# Altium PCB vf_v2.PcbDoc (part 2 of 2)
Units mil, origin at the board's own origin, x right, y up, seen from the top; angles counter-clockwise.
Board outline 5611.02 x 3251.03 mil, 2 copper layers (Top Layer, Bottom Layer); 147 components, 137 nets, 507 pads, 430 vias.
Unrouted connection lines stored in the file: 1.
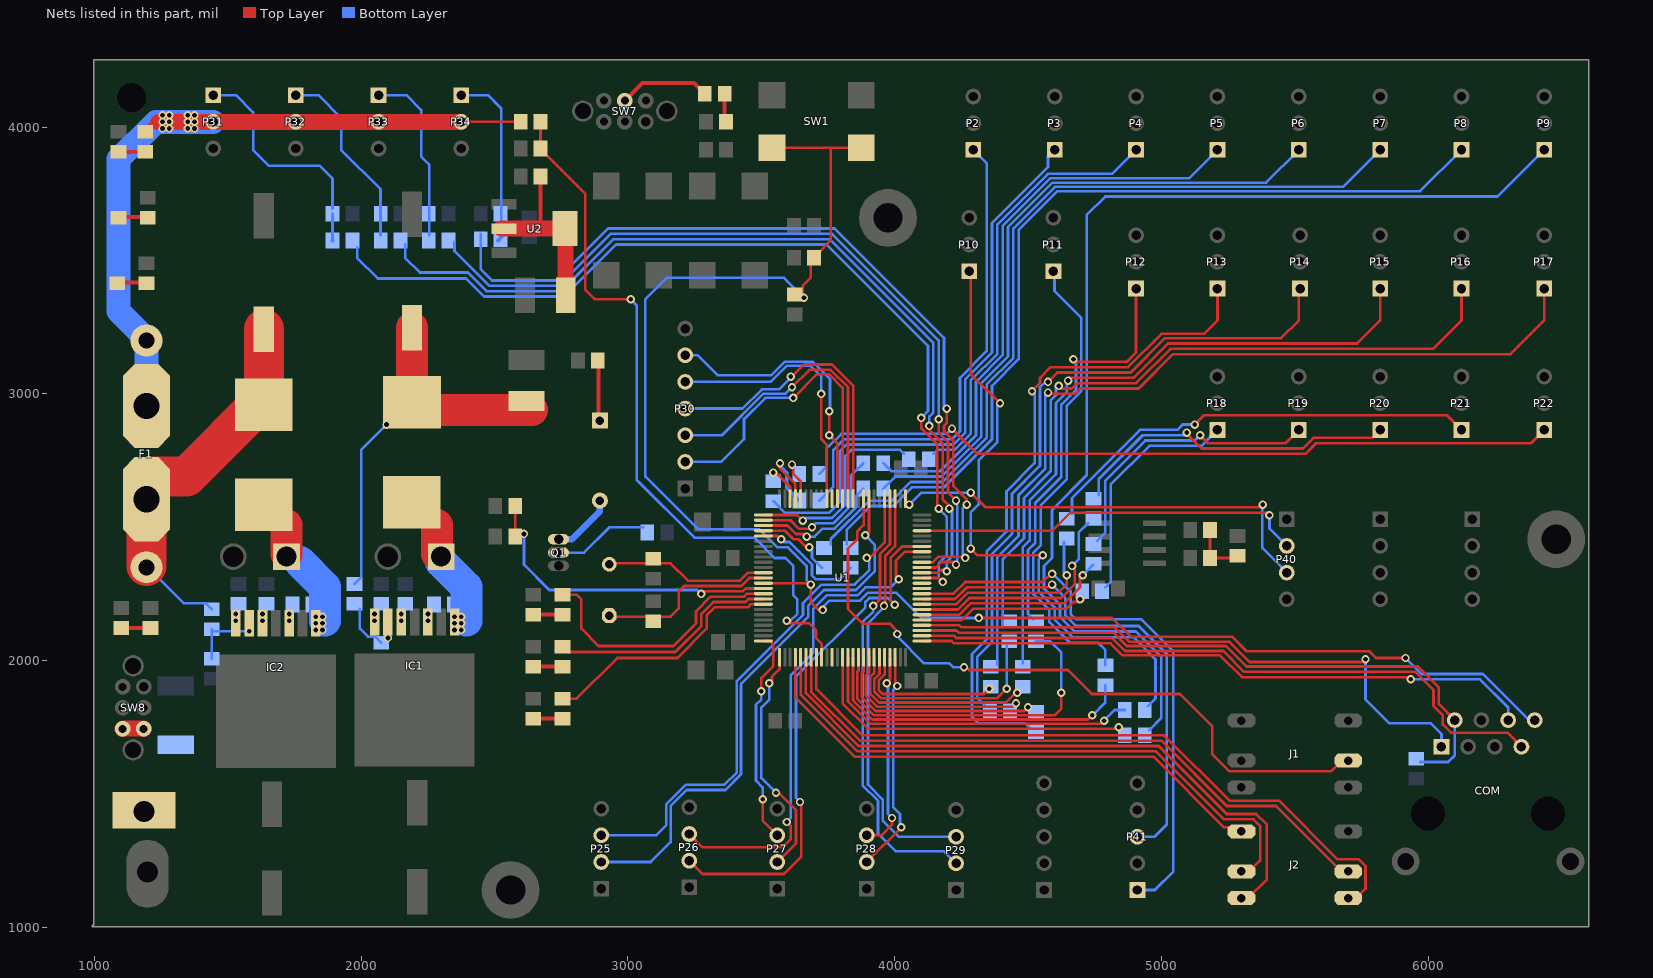
[diagram p2: the nets of this part, all layers, seen from the top]

## Via types
v1: diameter 31.5, hole 17.72, Top Layer to Bottom Layer, 291 vias
v2: diameter 31.5, hole 15.75, Top Layer to Bottom Layer, 71 vias
v3: diameter 31.5, hole 15.75, Top Layer to Bottom Layer, tented both sides, 66 vias
v4: diameter 31.5, hole 17.72, Top Layer to Bottom Layer, tented both sides, 2 vias

## Nets (pads, with @x,y where several pads share a name; then routed paths per layer and width w, separated by ;. In a path a pad name is that pad's centre, name@x,y a point inside that pad or via, vN(x,y) a via of type N, cw(c..) or ccw(c..) an arc to the next point about the centre after c; other vN are vias at no path point) (continued)
JS1_D: J1.5 U1.84 | length 2605
  Top Layer w10: U1.84@3883.74,2607.24 3883.74,2508.74 3860,2485 3860,2455 3825,2420 3825,2193.43 3880,2138.43 3981.57,2138.43 v1@4010,2110 ; v1@4265,1980 4280,1965 4649.09,1965 4739.09,1875 5070,1875 5190,1755 5190,1650 5255,1585 5635,1585 J1.5@5670,1620
  Bottom Layer w10: v1@4010,2090 4110,1990 4205,1990 4220,1975 v1@4265,1975
  other v1: 4260,1975 4010,2100
JS2_A: J2.1 U1.29 | length 1984.5
  Top Layer w10: U1.29@3627.83,2012.76 3627.83,1862.17 3850,1640 4970,1640 5235,1375 J2.1@5260,1375
JS2_B: J2.2 U1.30 | length 2283.3
  Top Layer w10: U1.30@3647.52,2012.76 3647.52,1872.48 3860,1660 4980,1660 5235,1405 5345,1405 5370,1380 5370,1250 5330,1210 J2.2@5300,1210
JS2_C: J2.3 U1.31 | length 2395.9
  Top Layer w10: U1.31@3667.2,2012.76 3667.2,1877.8 3865,1680 4990,1680 5245,1425 5355,1425 5395,1385 5395,1180 5325,1110 J2.3@5300,1110
JS2_CENTER: J2.4 U1.33 | length 2580
  Top Layer w10: U1.33@3706.57,2012.76 3706.57,1893.43 3880,1720 5010,1720 5255,1475 5440,1475 5660,1255 5740,1255 5765,1230 5765,1145 J2.4@5735,1115
JS2_D: J2.5 U1.32 | length 2396.6
  Top Layer w10: U1.32@3686.89,2012.76 3686.89,1883.11 3870,1700 5000,1700 5245,1455 5430,1455 J2.5@5675,1210
LCD_CS: P30.4 U1.86 | length 1164
  Top Layer w10: v1(3610,3065) 3610,3060 3660,3110 3765,3110 3844.37,3030.63 U1.86@3844.37,2607.24
  Bottom Layer w10: P30.4@3215,2945 3429.75,2945 3501.75,3017 3567,3017 3610,3060 v1(3610,3065)
LCD_D/C: P30.3 U1.87 | length 1156
  Top Layer w10: v1(3615,3025) 3680,3090 3760,3090 3824.68,3025.32 U1.87@3824.68,2607.24
  Bottom Layer w10: P30.3@3215,2845 3352.37,2845 3508.37,3001 3591,3001 v1(3615,3025)
LCD_RST: P30.2 U1.88 | length 1206.5
  Top Layer w10: v1(3620,2985) 3709,3074 3753.37,3074 3805,3022.37 U1.88@3805,2607.24
  Bottom Layer w10: P30.2@3215,2745 3349.7,2745 3435,2830.3 3435,2905 3515,2985 v1(3620,2985)
LED_1: R17.1 U1.16 | length 1004.4
  Top Layer w10: R17.1@2755,2247.4 2807.6,2247.4 2825,2230 2825,2120 2890,2055 3170,2055 3255,2140 3255,2185 3310,2240 3435,2240 3445.94,2250.94 U1.16@3507.76,2250.94
LED_2: R18.1 U1.17 | length 869.8
  Top Layer w10: R18.1@2755,2052.4 2775,2032.4 3177.4,2032.4 3275,2130 3275,2175 3320,2220 3440,2220 3451.26,2231.26 U1.17@3507.76,2231.26
LED_3: R19.1 U1.18 | length 928.7
  Top Layer w10: R19.1@2755,1857.4 2807.4,1857.4 2960,2010 3185,2010 3295,2120 3295,2170 3325,2200 3450,2200 3461.57,2211.57 U1.18@3507.76,2211.57
NetB1_1: B1.1 R50.1 | length 237.4
  Top Layer w16: B1.1@2890,2902.6 R50.1@2890,3140
NetB1_2: B1.2 Q1.3 | length 238.6
  Bottom Layer w24: Q1.3@2739.88,2455.02 2790.02,2455.02 2895,2560 B1.2@2895,2600
NetC7_2: C7.2 F3.1 U2.2 U2.4 | length 675.1
  Top Layer w16: 2672.4,3622.4 C7.2@2672.4,3815
  Top Layer w60: U2.2@2525,3620 U2.2@2535.83,3620 U2.4@2753.35,3620 ; F3.1@2765,3340 U2.4@2765,3594.17
NetC9_1: C9.1 F1.1 L2.2 R1.2 | length 1365.5
  Top Layer w150: F1.1@1195,2355 1195,2510 F1.1@1195,2610 ; F1.1@1220,2690 1345,2690 1635,2980 C9.1@1635,3243
  Bottom Layer w10: F1.1@1195,2355 1335,2215 1417.4,2215 R1.2@1440,2192.4
NetC10_1: C10.1 D10.1 IC2.1 L2.1 | length 402.6
  Top Layer w15: IC2.1@1830,2145 1840,2155 IC2.1@1840,2175
  Top Layer w120: D10.1@1720,2400 L2.1@1720,2508.85
  Bottom Layer w120: 1770,2370 1864.53,2275.47 v1@1864.53,2149.53
  other v1: 1830,2115 1855,2115 1830,2140 1855,2140 1830,2165 1855,2165
NetC10_2: C10.2 IC2.3
  other v1: 1730,2150 1730,2175
NetC11_2: C11.2 IC2.7 | length 5
  Top Layer w15: IC2.7@1520,2150 IC2.7@1520,2155
  other v1: 1530,2150 1530,2175
NetC13_1: C13.1 F2.1 L1.2 R4.2 | length 1366.3
  Top Layer w120: L1.2@2190,2969 C13.1@2190,3248 ; L1.2@2200,2940 F2.1@2640,2940
  Bottom Layer w10: R4.2@1975,2287.4 2000,2312.4 2000,2790 v1(2095,2885)
NetC14_1: C14.1 D9.1 IC1.1 L1.1 | length 402.6
  Top Layer w15: IC1.1@2350,2145 2360,2155 IC1.1@2360,2175
  Top Layer w120: D9.1@2285,2400 L1.1@2285,2508.85
  Bottom Layer w120: D9.1@2300,2370 2394.53,2275.47 2394.53,2149.53
  other v1: 2350,2115 2375,2115 2350,2140 2375,2140 2350,2165 2375,2165
NetC14_2: C14.2 IC1.3
  other v1: 2250,2150 2250,2175
NetC15_2: C15.2 IC1.7
  other v1: 2050,2150 2050,2175
NetC19_1: C19.1 U1.12 X1.2 | length 607
  Top Layer w10: X1.2@2940,2365 3160,2365 3225,2300 3420,2300 3449.68,2329.68 U1.12@3507.76,2329.68
NetC20_1: C20.1 U1.13 X1.1 | length 675.8
  Top Layer w10: X1.1@2930.06,2165 3160,2165 3190,2195 3190,2260 3210,2280 3425,2280 3455,2310 U1.13@3507.76,2310
NetC26_2: C26.2 R20.1 R21.1 | length 200
  Top Layer w10: R20.1@5182.4,2490 R21.1@5182.4,2385 C26.2@5277.4,2385
NetD1_1: D1.1 R17.2 | length 100
  Top Layer w15: D1.1@2655,2172.6 R17.2@2755,2172.6
NetD2_1: D2.1 R18.2 | length 100
  Top Layer w15: D2.1@2655,1977.6 R18.2@2755,1977.6
NetD3_1: D3.1 R19.2 | length 100
  Top Layer w15: D3.1@2655,1782.6 R19.2@2755,1782.6
NetD4_1: D4.1 R82.2 | length 95
  Top Layer w16: D4.1@1100,2122.6 R82.2@1195,2122.6
NetD5_1: D5.1 R83.2 | length 95
  Top Layer w15: D5.1@1085,3417.6 R83.2@1180,3417.6
NetD6_1: D6.1 R84.2 | length 100
  Top Layer w15: D6.1@1090,3907.6 R84.2@1190,3907.6
NetD7_1: D7.1 R85.2 | length 95
  Top Layer w15: D7.1@1095,3662.6 R85.2@1190,3662.6
NetD8_1: D8.1 R46.2 | length 100
  Top Layer w15: D8.1@3362.6,4025 R46.2@3362.6,4125
NetIC1_5: IC1.5 R6.2
  other v1: 2150,2150 2150,2175
NetIC1_6: IC1.6 R4.1 R5.2 | length 176.8
  Bottom Layer w10: R4.1@1995,2195 1995,2120 2025,2090 2052.4,2090 R5.2@2075,2067.4
  other v1: 2100,2085
NetIC2_5: IC2.5 R3.2
  other v1: 1630,2150 1630,2175
NetIC2_6: IC2.6 R1.1 R2.2 | length 242.6
  Bottom Layer w10: R2.2@1440,2007.4 R1.1@1440,2117.6 ; R1.1@1447.6,2110 v1(1580,2110)
NetP2_1: P2.1 R60.2 | length 1804.6
  Bottom Layer w10: R60.2@3717.4,2600 3770,2652.6 3770,2790 3810,2830 4215,2830 4245,2860 4245,3060 4345,3160 4345,3865 P2.1@4315,3895
NetP3_1: P3.1 R61.2 | length 2136.6
  Bottom Layer w10: R61.2@3545,2597.6 3587.6,2555 3755,2555 3795,2595 3795,2785 3820,2810 4220,2810 4265,2855 4265,3055 4365,3155 4365,3640 4575,3850 P3.1@4575,3890
NetP4_1: P4.1 R62.2 | length 1633.5
  Bottom Layer w10: R62.2@4145,2775 4160,2790 4225,2790 4285,2850 4285,3050 4385,3150 4385,3635 4575,3825 4815,3825 P4.1@4905,3915
NetP5_1: P5.1 R63.2 | length 2165.4
  Bottom Layer w10: R63.2@3957.4,2740 3987.4,2710 4170,2710 4305,2845 4305,3045 4405,3145 4405,3630 4583,3808 5103,3808 P5.1@5210,3915
NetP6_1: P6.1 R64.2 | length 2484.9
  Bottom Layer w10: R64.2@3957.4,2645 4002.4,2690 4175,2690 4325,2840 4325,3040 4425,3140 4425,3625 4592,3792 5392,3792 P6.1@5515,3915
NetP7_1: P7.1 R65.2 | length 3086
  Bottom Layer w10: R65.2@3760,2435 3760,2455 3905,2600 3990,2600 4060,2670 4180,2670 4345,2835 4345,3035 4445,3135 4445,3620 4601,3776 5681,3776 P7.1@5820,3915
NetP8_1: P8.1 R66.2 | length 3349.1
  Bottom Layer w10: R66.2@3820,2437.4 3820,2490 3910,2580 3995,2580 4065,2650 4185,2650 4365,2830 4365,3030 4465,3130 4465,3615 4610,3760 5970,3760 P8.1@6125,3915
NetP9_1: P9.1 R67.2 | length 4147.7
  Bottom Layer w10: R67.2@4955,1740 4999,1784 4999,2015 4905,2109 4674.7,2109 4620,2163.7 4620,2210 4560,2270 4560,2355 4590,2385 4590,2565 4720,2695 4720,3670 4790,3740 6260,3740 P9.1@6435,3915
NetP10_1: P10.1 R68.2 | length 2305.7
  Top Layer w10: v1(4285,2420) 4310,2395 v1(4555,2395) ; P10.1@4285,3460 4285,3075 v1(4395,2965)
  Bottom Layer w10: v1(4285,2420) 4285,2555 4315,2585 4315,2750 4385,2820 v1@4385,2965 ; v1(4555,2395) 4540,2380 4540,2260 4600,2200 4600,2154 4666,2088 4895,2088 4978,2005 4978,1858 R68.2@4950,1830
NetP11_1: P11.1 R69.2 | length 1767.7
  Bottom Layer w10: P11.1@4599.22,3460 4599.22,3385.78 4700,3285 4700,3010 4645,2955 4645,2679.7 4548,2582.7 4548,2432.7 4520,2404.7 4520,2250 4580,2190 4580,2144.3 4657.3,2067 4763,2067 4790,2040 R69.2@4790,1982.4
NetP12_1: P12.1 R70.2 | length 1540.6
  Top Layer w10: v1(4670,3130) 4680,3120 4870,3120 4905,3155 P12.1@4905,3380
  Bottom Layer w10: R70.2@4520,2155 4500,2175 4500,2414.4 4527,2441.4 4527,2591.4 4625,2689.4 4625,2960 4680,3015 4680,3120 v1(4670,3130)
NetP13_1: P13.1 R71.2 | length 2481.6
  Top Layer w10: v1(4515,3010) 4545,3040 4545,3060 4585,3100 4875,3100 5000,3225 5160,3225 5210,3275 P13.1@5210,3380
  Bottom Layer w10: R71.2@4510,1745 4490,1765 4315,1765 4290,1790 4290,2024.7 4345,2079.7 4345,2409.7 4419,2483.7 4419,2634.4 4525,2740.4 4525,3000 v1(4515,3010)
NetP14_1: P14.1 R72.2 | length 2488.3
  Top Layer w10: v1(4575,3045) 4610,3080 4885,3080 5014,3209 5449,3209 5515,3275 P14.1@5515,3385
  Bottom Layer w10: R72.2@4340,1830 4310,1860 4310,2015 4365,2070 4365,2400 4440,2475 4440,2625.7 4545,2730.7 4545,3025 4565,3045 v1(4575,3045)
NetP15_1: P15.1 R73.2 | length 2482.4
  Top Layer w10: v1@4655,3060 4895,3060 5024,3189 5734,3189 5820,3275 P15.1@5820,3385
  Bottom Layer w10: R73.2@4480,1990 4480,2424.1 4506,2450.1 4506,2600.1 4605,2699.1 4605,2965 4645,3005 v1@4645,3040
  other v1: 4650,3050
NetP16_1: P16.1 R74.2 | length 2698.5
  Top Layer w10: v1@4625,3020 4665,3020 4685,3040 4905,3040 5034,3169 6019,3169 6125,3275 P16.1@6125,3385
  Bottom Layer w10: R74.2@4405,2125 4405,2378.79 4485,2458.79 4485,2610 4585,2710 4585,2975 4605,2995 v1@4605,3025
  other v1: 4615,3030
NetP17_1: P17.1 R75.2 | length 3192.6
  Top Layer w10: v1@4565,3000 4675,3000 4695,3020 4915,3020 5044,3149 6309,3149 6435,3275 P17.1@6435,3385
  Bottom Layer w10: R75.2@4385,1985 4385,2388.49 4464,2467.49 4464,2620 4565,2721 4565,2995 v1(4575,3005)
NetP18_1: P18.1 R76.2 | length 864.9
  Bottom Layer w10: R76.2@4790,2275 4810,2295 4810,2660 4955,2805 5150,2805 5190,2845 P18.1@5205,2845
NetP19_1: P19.1 R77.2 | length 1066
  Top Layer w10: v1(5145,2845) 5175,2815 5465,2815 P19.1@5515,2865
  Bottom Layer w10: R77.2@4760,2450 4790,2480 4790,2675 4940,2825 5125,2825 v1(5145,2845)
NetP20_1: P20.1 R78.2 | length 1232.2
  Top Layer w10: v1@5100,2845 5150,2795 5530,2795 5570,2835 5790,2835 P20.1@5820,2865
  Bottom Layer w10: R78.2@4765,2620 4765,2680 4930,2845 5085,2845 v1(5095,2855)
NetP21_1: P21.1 R79.2 | length 1671.2
  Top Layer w10: v1(5125,2885) 5160,2920 6070,2920 P21.1@6125,2865
  Bottom Layer w10: R79.2@4665,2550 4665,2610 4920,2865 5060,2865 5080,2885 v1(5125,2885)
NetP22_1: P22.1 R81.2 | length 2890
  Top Layer w10: v1@4225,2860 4310,2775 5540,2775 5580,2815 6385,2815 P22.1@6435,2865
  Bottom Layer w10: R81.2@3717.4,2700 3745,2727.6 3745,2795 3800,2850 4195,2850 v1(4215,2870)
NetP31_1: P31.1 R9.1 R10.2 | length 871.5
  Bottom Layer w10: P31.1@1445,4120 1530,4120 1595,4055 1595,3915 1655,3855 1845,3855 1892.6,3807.4 R10.2@1892.6,3695 ; R9.1@1892.6,3575 R10.2@1892.6,3675
NetP32_1: P32.1 R11.1 R12.2 | length 706.3
  Bottom Layer w10: P32.1@1755,4120 1840,4120 1925,4035 1925,3915 2072.6,3767.4 R11.1@2072.6,3595
NetP33_1: P33.1 R13.1 R14.2 | length 665.2
  Bottom Layer w10: P33.1@2065,4120 2170,4120 2225,4065 2225,3890 2255,3860 R13.1@2255,3595
NetP34_1: P34.1 R15.1 R16.2 | length 650.9
  Bottom Layer w10: P34.1@2375,4120 2475,4120 2525,4070 R15.1@2525,3607.6
  Bottom Layer w15: R15.1@2512.4,3575 R15.1@2525,3587.6
NetQ1_2: Q1.2 R51.1 | length 357.1
  Bottom Layer w10: Q1.2@2739.88,2405.02 2835,2405 2930.02,2500.02 R51.1@3057.62,2500.02
NetR46_1: R46.1 SW7.3 | length 343.2
  Top Layer w15: SW7.3@2988.15,4099.37 3053.78,4165 3247.6,4165 R46.1@3287.6,4125
PB9: R81.1 U1.96 | length 129.2
  Top Layer w10: v1@3620,2725 3620,2700 3647.52,2672.48 U1.96@3647.52,2607.24
  other v1: 3615,2735
PD8: R76.1 U1.55 | length 622.4
  Top Layer w10: U1.55@4103.46,2153.74 U1.55@4102.24,2152.52 4252.52,2152.52 4295,2195 4645,2195 4670,2220 v1@4695,2220
  other v1: 4695,2230
PD9: R77.1 U1.56 | length 733.6
  Top Layer w10: U1.56@4103.46,2173.43 U1.56@4102.24,2172.2 4242.2,2172.2 4285,2215 4635,2215 4695,2275 v1@4695,2315
  Bottom Layer w10: v1(4705,2320) R77.1@4745,2360
PD10: R78.1 U1.57 | length 872
  Top Layer w10: U1.57@4103.46,2193.11 U1.57@4102.24,2191.89 4236.89,2191.89 4280,2235 4625,2235 4675,2285 4675,2345 v1(4665,2355)
  Bottom Layer w10: v1(4665,2355) 4690,2380 4690,2480 R78.1@4725,2515
PD11: R79.1 U1.58 | length 739
  Top Layer w10: U1.58@4103.46,2212.8 U1.58@4102.24,2211.57 4231.57,2211.57 4275,2255 4615,2255 4645,2285 v1(4645,2320)
  Bottom Layer w10: R79.1@4635,2445 4635,2330 v1(4645,2320)
PE0: R60.1 U1.97 | length 316.8
  Top Layer w10: v1@3570,2730 3570,2720 3627.83,2662.17 U1.97@3627.83,2607.24
  Bottom Layer w12: v1(3570,2740) 3570,2730 3595,2705 3595,2647.6 R60.1@3642.6,2600
PE1: R61.1 U1.98 | length 129.8
  Top Layer w10: v1(3545,2705) 3555,2705 3608.15,2651.85 U1.98@3608.15,2607.24
PE2: R62.1 U1.1 | length 765.9
  Top Layer w10: U1.1@3507.76,2546.22 3633.78,2546.22 v1(3655,2525) v1@3660,2520
  Bottom Layer w10: v1(3655,2525) 3665,2535 3765,2535 3815,2585 3815,2767.4 3837.6,2790 4020,2790 R62.1@4035,2775
PE3: R63.1 U1.2 | length 562.3
  Top Layer w10: U1.2@3507.76,2526.54 3608.46,2526.54 3640,2495 3685,2495 v1(3690,2500) v1@3695,2505
  Bottom Layer w10: v1(3690,2500) 3705,2515 3770,2515 3835,2580 3835,2692.4 R63.1@3882.6,2740
PE4: R64.1 U1.3 | length 491.6
  Top Layer w10: U1.3@3507.76,2506.85 3598.15,2506.85 3630,2475 3660,2475 v1(3670,2465)
  Bottom Layer w10: v1(3670,2465) 3700,2465 3730,2495 3775,2495 3855,2575 3855,2617.4 R64.1@3882.6,2645
PE5: R65.1 U1.4 | length 285
  Top Layer w10: U1.4@3507.76,2487.17 3587.83,2487.17 3620,2455 3640,2455 v1@3670,2425
  Bottom Layer w10: v1(3680,2425) 3690,2415 3690,2385 R65.1@3727.4,2347.6
PE6: R66.1 U1.5 | length 435.6
  Top Layer w10: U1.5@3507.76,2467.48 3562.52,2467.48 v1(3575,2455)
  Bottom Layer w10: v1(3575,2455) 3585,2445 3605,2445 3690,2360 3690,2320 3705,2305 3792.4,2305 R66.1@3835,2347.6
PE7: R67.1 U1.38 | length 1254.2
  Top Layer w10: U1.38@3805,2012.76 3805,1840 3900,1745 4835,1745 v1(4840,1750)
  Bottom Layer w10: R67.1@4840,1745 v1(4840,1750)
PE8: R68.1 U1.39 | length 1260
  Top Layer w10: U1.39@3824.68,2012.76 3824.68,1846.92 3908.61,1763 4773,1763 v1(4785,1775)
  Bottom Layer w10: v1(4785,1775) 4825,1815 R68.1@4862.6,1815
PE9: R69.1 U1.40 | length 1232.7
  Top Layer w10: U1.40@3844.37,2012.76 3844,2012.39 3844,1850.24 3915.24,1779 4725,1779 v1(4741,1795)
  Bottom Layer w10: v1@4745,1795 v1(4741,1795) 4790,1844 R69.1@4790,1907.6
PE10: R70.1 U1.41 | length 1281.2
  Top Layer w10: U1.41@3864.06,2012.76 3864.06,1962.19 3860,1958.14 3860,1856.86 3921.86,1795 4600,1795 4625,1820 v1(4625,1880)
  Bottom Layer w10: R70.1@4530,2072.6 4582.4,2072.6 4625,2030 v1(4625,1880)
PE11: R71.1 U1.42 | length 804
  Top Layer w10: U1.42@3883.74,2012.76 3883.74,1959.25 3876,1951.51 3876,1863.49 3928.49,1811 4486,1811 v1(4500,1825)
PE12: R72.1 U1.43 | length 733.6
  Top Layer w10: U1.43@3903.43,2012.76 3903.43,1956.31 3892,1944.88 3892,1870.12 3935.12,1827 4442,1827 v1(4455,1840)
PE13: R73.1 U1.44 | length 722.1
  Top Layer w10: U1.44@3923.11,2012.76 3923.11,1953.37 3908,1938.25 3908,1876.75 3941.75,1843 4418,1843 v1@4457.5,1882.5
  other v1: 4460,1880
PE14: R74.1 U1.45 | length 818.2
  Top Layer w10: U1.45@3942.8,2012.76 3942.8,1950.42 3924,1931.63 3924,1883.37 3948.37,1859 4384,1859 v1(4420,1895)
  Bottom Layer w10: v1(4420,1895) R74.1@4420,2055
PE15: R75.1 U1.46 | length 561.6
  Top Layer w10: U1.46@3962.48,2012.76 3962.48,1947.48 3940,1925 3940,1890 3955,1875 4335,1875 v1(4355,1895)
RESET: C25.1 COM.8 R80.2 SW1.2 U1.14 | length 6246.9
  Top Layer w10: U1.14@3507.76,2290.32 v1@3679.68,2290.32 ; SW1.2@3540.35,3923.15 SW1.2@3875,3923.15 ; v1@3655,3360 3655,3405 3685,3435 C25.1@3685,3505 ; v1(3685,2285) 3685,2220 3715,2190 v1(3730,2190) ; C25.1@3710,3525 3760,3575 3760,3923.15 ; v1@4320,2160 4815,2160 4885,2090 5265,2090 5320,2035 5780,2035 5805,2010 v1(5915,2010)
  Top Layer w15: SW1.2@3875,3923.15 SW1.2@3875,3935
  Bottom Layer w10: v1(3660,3360) 3585,3435 3145,3435 3065,3355 3065,2690 3262,2493 3492,2493 3560,2425 3600,2425 3670,2355 3670,2300 v1(3685,2285) ; v1@3730,2200 3755,2225 3870,2225 3900,2255 4005,2255 4100,2160 v1(4315,2160) ; v1(5915,2010) 5975,1950 6205,1950 6377.91,1777.09 COM.8@6399.81,1777.09
SERVO1: R9.2 U1.63 | length 3519.7
  Top Layer w10: v1(4100,2910) 4100,2870 4160,2810 4160,2585 v1@4175,2570 ; U1.63@4102.24,2310 4165,2310 v1(4180,2295)
  Bottom Layer w10: R9.2@1985,3550 1985,3510 2062.35,3432.65 2392.65,3432.65 2460.3,3365 2760,3365 2955,3560 3745,3560 4125,3180 4125,2935 v1(4100,2910) ; v1(4165,2570) 4195,2540 4195,2395 4165,2365 4165,2310 v1(4180,2295)
SERVO2: R11.2 U1.64 | length 3306.7
  Top Layer w10: U1.64@4102.24,2329.68 4164.69,2329.68 4175,2340 v1@4190,2340 ; v1(4130,2880) 4130,2865 4180,2815 4180,2605 v1@4205,2580
  Bottom Layer w10: R11.2@2165,3560 2165,3510 2220,3455 2400,3455 2470,3385 2750,3385 2945,3580 3755,3580 4145,3190 4145,2930 4130,2915 v1(4130,2880) ; v1(4195,2335) 4195,2370 4215,2390 v1@4215,2570
  other v1: 4205,2570
SERVO3: R13.2 U1.65 | length 3169.6
  Top Layer w10: U1.65@4102.24,2349.37 4154.37,2349.37 4175,2370 4220,2370 v1(4230,2360) ; v1(4165,2905) 4165,2855 4200,2820 4200,2630 v1(4230,2600)
  Bottom Layer w10: R13.2@2350,3570 2350,3535.3 2480.3,3405 2740,3405 2935,3600 3765,3600 4165,3200 v1(4165,2905) ; v1(4230,2360) 4235,2365 v1@4235,2610
SERVO4: R15.2 U1.66 | length 3189.3
  Top Layer w10: U1.66@4102.24,2369.06 4144.06,2369.06 4165,2390 v1@4260,2390 ; v1(4195,2945) 4195,2890 4185,2880 4185,2860 4220,2825 4220,2655 4270,2605 v1(4270,2585)
  Bottom Layer w10: R15.2@2447.6,3600 2447.6,3467.4 2490,3425 2730,3425 2925,3620 3775,3620 4185,3210 4185,2945 4195,2935 v1(4195,2945) ; v1@4255,2395 4255,2570 v1(4270,2585)
  other v1: 4265,2385
SEVRO_DT: R91.1 R92.2 U1.34 | length 2743.9
  Top Layer w10: R91.1@2672.4,3920 R92.2@2672.4,4020 ; R91.1@2685,3905 2840,3750 2840,3390 2875,3355 v1(3010,3355) ; v1(3595,2150) 3605,2140 3680,2140 3705,2115 3705,2085 3726.26,2063.74 U1.34@3726.26,2012.76
  Bottom Layer w10: v1(3010,3355) 3033,3332 3033,2676.75 3248.75,2461 3474,2461 3550,2385 3590,2385 3620,2355 3620,2245 3635,2230 3635,2175 3610,2150 v1(3595,2150)
SPI2_MISO: COM.2 R45.2 U1.53 | length 2455.4
  Top Layer w10: U1.53@4103.46,2114.37 U1.53@4102.24,2113.15 4231.85,2113.15 4240,2105 4820,2105 4870,2055 5241.57,2055 5318.6,1977.97 5962.03,1977.97 6040.1,1899.9 6040.1,1836.8 COM.2@6099.81,1777.09
  Top Layer w30: COM.2@6099.81,1777.09 COM.2@6102.6,1779.87
  Bottom Layer w10: R45.2@5970,1620 6075,1620 6099.81,1644.81 COM.2@6099.81,1777.09 COM.2@6102.4,1779.68
SPI2_MOSI: COM.1 U1.54 | length 2260.8
  Top Layer w10: U1.54@4102.24,2132.83 4102.41,2133 4242,2133 4250,2125 4825,2125 4879,2071 5254,2071 5330,1995 5755,1995 v1(5765,2005)
  Bottom Layer w10: v1(5765,2005) 5765,1855 5855,1765 6010,1765 6049.81,1725.19 COM.1@6049.81,1677.09
SPI2_NSS: COM.6 U1.51 | length 2342.1
  Top Layer w10: U1.51@4103.46,2075 U1.51@4102.24,2073.78 4213.78,2073.78 4222.56,2065 4810,2065 4855,2020 5220,2020 5302.03,1937.97 v1@5930,1937.97
  Bottom Layer w10: v1(5935,1930) 6195,1930 6299.81,1825.19 COM.6@6299.81,1777.09
SPI2_SCK: COM.7 U1.52 | length 2477.7
  Top Layer w10: U1.52@4103.46,2094.69 U1.52@4102.24,2093.46 4221.54,2093.46 4230,2085 4815,2085 4864,2036 5232.28,2036 5310.32,1957.97 5952.03,1957.97 6020,1890 6020,1830 6055,1795 6055,1760 6085,1730 6296.9,1730 COM.7@6349.81,1677.09
  Bottom Layer w10: COM.7@6349.81,1677.09 COM.7@6350,1676.9
SPI3_MOSI: P30.5 U1.91 | length 1017.9
  Top Layer w10: v1(3725,3000) 3725,2830 3745.94,2809.06 U1.91@3745.94,2607.24
  Bottom Layer w10: P30.5@3215,3045 3535,3045 3595,3105 3685,3105 3725,3065 v1(3725,3000)
SPI3_MSIO: U1.90
SPI3_SCK: P30.6 U1.89 | length 1083.6
  Top Layer w10: v1(3755,2935) v1(3755,2845) 3785.32,2814.68 U1.89@3785.32,2607.24
  Bottom Layer w10: P30.6@3215,3145 3260,3145 3335,3070 3537.37,3070 3588.37,3121 3691.63,3121 3757.63,3055 3757.63,2937.63 v1(3755,2935)
TCK: P40.3 U1.76 | length 1664.3
  Top Layer w10: v1(4285,2630) 4340,2575 5370,2575 v1(5380,2585)
  Bottom Layer w10: v1(4055,2585) 4100,2630 v1(4285,2630) ; v1(5380,2585) 5378.25,2583.25 5378.25,2421.75 P40.3@5470,2330
TIM3_CH4: U1.36
TIM4_A: P41.3 U1.59 | length 1854.4
  Top Layer w10: U1.59@4102.24,2231.26 4226.41,2231.26 4270.16,2275 4580,2275 v1(4590,2285)
  Bottom Layer w10: v1(4590,2285) 4640,2235 4640,2170 4680,2130 4915,2130 5020,2025 5020,1385 4975,1340 P41.3@4910,1340
TIM4_B: P41.1 U1.60 | length 2116.1
  Top Layer w10: U1.60@4102.24,2250.94 4220.94,2250.94 4265,2295 4555,2295 4575,2315 v1@4590,2315
  Bottom Layer w10: v1@4600,2320 4660,2260 4660,2175 4680,2155 4925,2155 5045,2035 5045,1210 4975,1140 P41.1@4910,1140
  other v1: 4590,2325
TIM4_CH3: U1.61
TIM4_CH4: U1.62
TMS: P40.2 U1.72 | length 1476.9
  Top Layer w10: U1.72@4102.24,2487.17 4592.17,2487.17 4660,2555 5395,2555 v1(5405,2545)
  Bottom Layer w10: v1(5405,2545) 5405,2495 P40.2@5470,2430
UART1_RX: P26.2 U1.69 | length 1981.5
  Top Layer w10: P26.2@3230,1250 3280,1200 3585,1200 3650,1265 3650,1465 v1(3645,1470) ; v1(4000,2210) 3985,2225 3985,2385 4028.11,2428.11 U1.69@4102.24,2428.11
  Bottom Layer w10: v1(3645,1470) 3630,1485 3630,1940 3890,2200 3890,2220 3905,2235 3975,2235 v1(4000,2210)
UART1_TX: P26.3 U1.68 | length 1876.6
  Top Layer w10: P26.3@3230,1350 3280,1300 3580,1300 3610,1330 3610,1380 v1(3595,1395) ; v1(4015,2305) 4005,2315 4005,2375 4038.43,2408.43 U1.68@4102.24,2408.43
  Bottom Layer w10: v1(3595,1395) 3610,1410 3610,1945 3695,2030 3695,2195 3745,2245 3860,2245 3890,2275 3985,2275 v1(4015,2305)
UART2_RX: P27.2 U1.26 | length 865.8
  Top Layer w10: v1@3540,1920 3540,1940 3568.78,1968.78 U1.26@3568.78,2012.76 ; P27.2@3560,1245 3630,1315 3630,1440 v1@3565,1505
  Bottom Layer w10: v1(3530,1915) 3530,1855 3500,1825 3500,1560 v1(3555,1505)
UART2_TX: P27.3 U1.25 | length 818
  Top Layer w10: v1(3500,1885) 3500,1935 3545,1980 3545,2060 3531.22,2073.78 U1.25@3507.76,2073.78 ; v1(3505,1480) 3505,1400 P27.3@3560,1345
  Bottom Layer w10: v1(3500,1885) 3500,1855 3480,1835 3480,1550 3505,1525 v1(3505,1480)
UART3_RX: P28.2 U1.48 | length 843.6
  Top Layer w10: P28.2@3895,1245 v1(4025,1375) ; U1.48@4001.85,2012.76 4001.85,1913.15 v1(4010,1905)
  Bottom Layer w10: v1(4010,1905) 3995,1890 3995,1450 4020,1425 4020,1380 v1(4025,1375)
UART3_TX: P28.3 U1.47 | length 750.6
  Top Layer w10: P28.3@3895,1345 3950,1345 3990,1385 v1(3990,1410) ; v1(3970,1915) 3982.17,1927.17 U1.47@3982.17,2012.76
  Bottom Layer w10: v1@3975,1915 3975,1425 v1(3990,1410)
UART4_RX: P29.2 U1.79 | length 1650
  Top Layer w10: v1(3920,2205) 3945,2230 3945,2399.54 3980.48,2435.02 3980.48,2435.48 3982.17,2437.17 U1.79@3982.17,2607.24
  Bottom Layer w10: v1@3920,2195 3920,2185 3880,2145 3880,1532.37 3937.37,1475 3937.37,1352.63 4005,1285 4185,1285 P29.2@4230,1240
UART4_TX: P29.3 U1.78 | length 1557.9
  Top Layer w10: v1@3965,2205 3965,2393.15 4001.85,2430 U1.78@4001.85,2607.24
  Bottom Layer w10: v1@3955,2195 3900,2140 3900,1535 3955,1480 3955,1400 4015,1340 P29.3@4230,1340
  other v1: 3960,2205
UART5_RX: P25.2 U1.83 | length 2056.5
  Top Layer w10: 3903.43,2478.43 U1.83@3903.43,2607.24
  Bottom Layer w10: P25.2@2900,1245 3085,1245 3160,1320 3160,1455 3220,1515 3365,1515 3424,1574 3424,1907.63 3425,1908.63 3425,1915 3676.25,2166.25 3676.25,2206.25 3735,2265 3855,2265 3925,2335 3925,2435 v1(3890,2470)
UART5_TX: P25.3 U1.80 | length 2006.8
  Top Layer w10: v1@3905,2385 3962.48,2442.48 U1.80@3962.48,2607.24
  Bottom Layer w10: P25.3@2915.62,1329.37 P25.3@2900,1345 3105,1345 3144,1384 3144,1461.63 3217.37,1535 3362.37,1535 3408,1580.63 3408,1923 3656.25,2171.25 3656.25,2216.25 3725,2285 3850,2285 3905,2340 3905,2375 v1(3895,2385)
V_DETECT: R93.1 R94.2 U1.15 | length 1173.6
  Top Layer w10: R94.2@2577.4,2465 R93.1@2577.4,2580 ; v1@3275,2260 3430,2260 3440.63,2270.63 U1.15@3507.76,2270.63
  Bottom Layer w10: v1(2610,2475) 2610,2360 2705,2265 3260,2265 3265,2260 v1@3275,2260
  other v1: 3275,2250
VBAT: Bat.1 R7.2 SW8.5 SW8.6 | length 79.8
  Top Layer w60: SW8.5@1105.63,1744.41 1106.89,1745.67 1183.11,1745.67 SW8.6@1184.37,1744.41
VCC_SERVO: F1.2 P31.2 P32.2 P33.2 P34.2 R84.1 R92.1 | length 2803.3
  Top Layer w10: P34.2@2375,4020 R92.1@2597.6,4020
  Top Layer w15: P31.2@1442.4,4017.4 P31.2@1445,4020
  Top Layer w30: R84.1@1190,3982.4 1190.21,3982.4 1227.81,4020 v1@1240,4020
  Top Layer w60: v1@1240,4020 v1(1255,4020) v1(1280,4020) v1(1350,4020) v1(1375,4020) P31.2@1445,4020 P32.2@1755,4020 P33.2@2065,4020 P34.2@2375,4020
  Bottom Layer w90: F1.2@1195,2960 1195,3050 1195,3205 1090,3310 1090,3880 1230,4020 v1(1255,4020) v1(1280,4020) v1(1350,4020) v1(1375,4020) P31.2@1445,4020
  other v1: 1255,3995 1280,3995 1350,3995 1375,3995 1255,4045 1280,4045 1350,4045 1375,4045
pads on no net: COM.MH1 COM.MH2 COM.MH3 COM.MH4 P41.4 P42.4 SW7.0 SW8.0 SW8.1 SW8.2 U1.7 U1.8 U1.9 U1.67 U1.73 U1.77 U3.5

## Polygon pours and split planes (outlines as drawn)
GND on Top Layer "Top Layer-No Net" (solid, remove dead copper): 970,4265 970,995 6610,995 6635,970 6615,990 6615,4265 1015,4265 950,4330
VBAT on Bottom Layer "Bottom Layer-No Net" (solid, remove dead copper, pour order 6): 1070,1380 1295,1380 1350,1435 1350,1695 1270,1775 1080,1775 1020,1715 1020,1430
GND on Bottom Layer "Bottom Layer-No Net" (solid, remove dead copper, pour order 17): 940,4305 980,4265 980,960 6620,960 6690,890 6690,4325 910,4325 875,4360
GND on Bottom Layer "Bottom Layer-No Net" (solid, remove dead copper, shelved, pour order 12): 980,4260 985,4255 985,950 6615,950 6625,960 6620,965 6620,4250 915,4250 900,4265
GND on Top Layer "Bottom Layer-No Net" (solid, remove dead copper, shelved, pour order 14): 935,4260 930,4255 930,965 6665,965 6635,995 6635,4260 875,4260 825,4310

## Keep-outs
Keep-Out Layer:
  lines w6: 995,1005 6600,1005 6600,4200 6600,4250 1000,4250 1000,1010
  lines w10: 6670,1065 6690,1005 ; 6670,4170 6690,4230 ; 6680,1005 6700,1005 ; 6680,4230 6700,4230 ; 6690,2336.59 6690,1005 ; 6690,2898.41 6690,4230 ; 6710,1065 6690,1005 ; 6710,4170 6690,4230
  text "3225 (mil)" at 6725.99,2346.59 h60 r90

## Silkscreen, mask and mechanical layers (free items; w line width, h text height)
Mechanical 1:
  lines w10: 994.11,4422.85 994.13,4442.85 ; 1054.11,4412.8 994.12,4432.85 ; 1054.14,4452.8 994.12,4432.85 ; 3398.25,4430.71 994.12,4432.85 ; 4190,4430 6594.12,4427.85 ; 6534.11,4407.91 6594.12,4427.85 ; 6534.14,4447.91 6594.12,4427.85 ; 6594.11,4417.85 6594.13,4437.85
  text "5600.002 (mil)" at 3408.21,4394.71 h60 r359.95

## Text inside footprints (layer, text, board x,y; h text height)
B1: Top Overlay "+" at 2935,3050 h60 r270
Bat: Top Overlay "+" at 1157,1553 h60 r270; Top Overlay "-" at 1067,1109 h60 r270
D9: Top Overlay "1" at 2309.84,2524.84 h59.06 r180; Top Overlay "3" at 2119.68,2524.84 h59.06 r180
D10: Top Overlay "1" at 1729.84,2524.84 h59.06 r180; Top Overlay "3" at 1539.68,2524.84 h59.06 r180